# KiCad board Auckland-LED-Train-Map.kicad_pcb (continued)
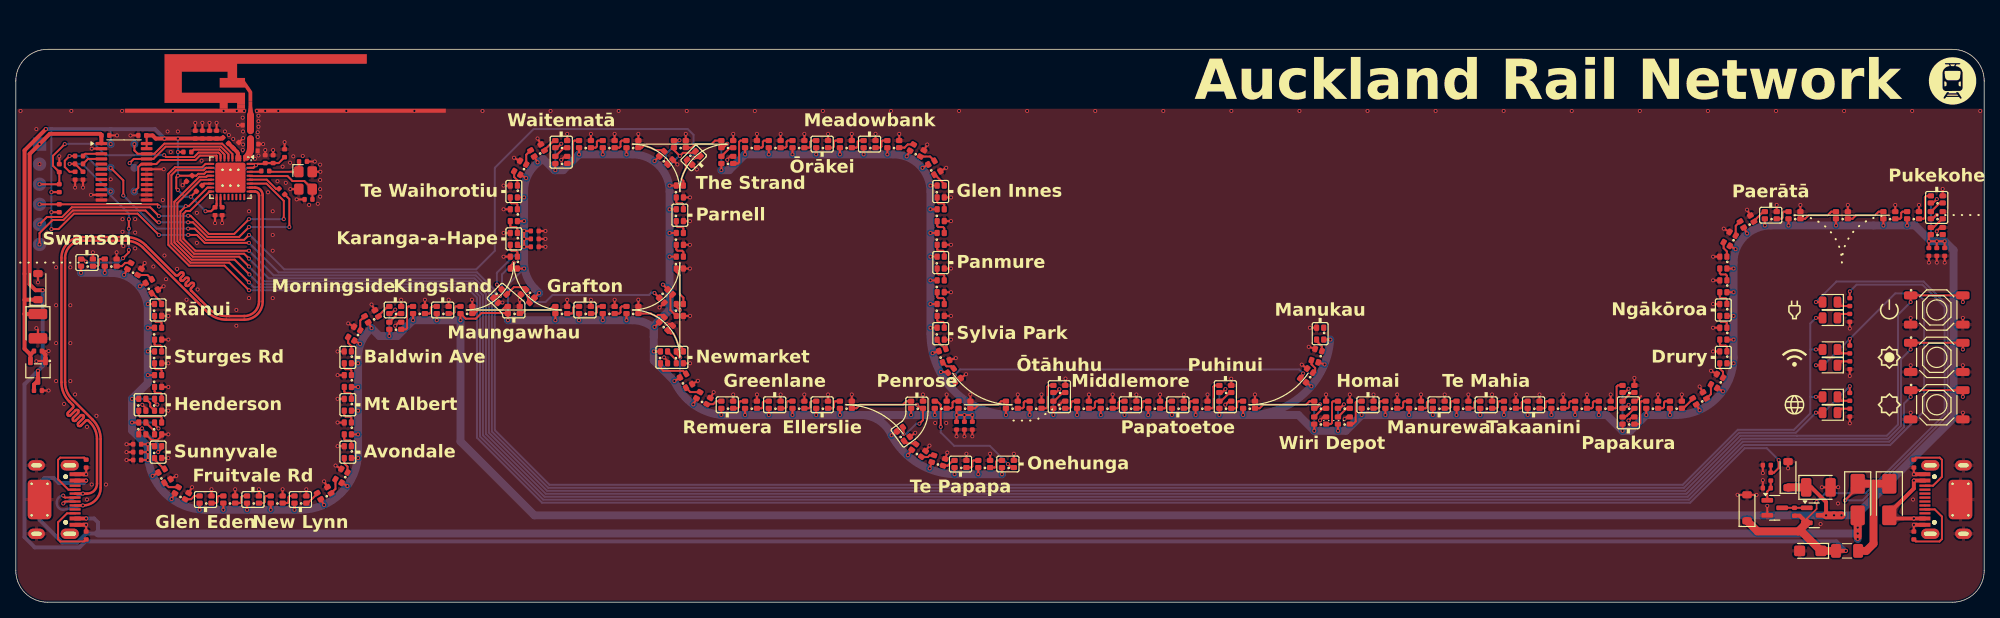
[diagram p0: board, top side]
## Nets (continued)
Net-(D181-DOUT): D181.1 D182.4
Net-(D182-DOUT): D182.1 D183.4
Net-(D183-DOUT): D183.1 D184.4
Net-(D184-DOUT): D184.1 D185.4
Net-(D185-DOUT): D185.1 D186.4
Net-(D186-DOUT): D186.1 D187.4
Net-(D187-DOUT): D187.1 D188.4
Net-(D188-DOUT): D188.1 D189.4
Net-(D189-DOUT): D189.1 D190.4
Net-(D190-DOUT): D190.1 D191.4
Net-(D191-DOUT): D191.1 D192.4
Net-(D193-DOUT): D193.1 D194.4
Net-(D194-DOUT): D194.1 D195.4
Net-(D195-DOUT): D195.1 D196.4
Net-(D196-DOUT): D196.1 D197.4
Net-(D197-DOUT): D197.1 D198.4
Net-(D198-DOUT): D198.1 D199.4
Net-(D199-DOUT): D199.1 D200.4
Net-(D200-DOUT): D200.1 D201.4
Net-(D201-DOUT): D201.1 D202.4
Net-(D202-DOUT): D202.1 D203.4
Net-(D203-DOUT): D203.1 D204.4
Net-(D204-DOUT): D204.1 D205.4
Net-(D205-DOUT): D205.1 D206.4
Net-(D206-DOUT): D206.1 D207.4
Net-(D207-DOUT): D207.1 D208.4
Net-(D300-DOUT): D300.1 D301.4
Net-(D301-DOUT): D301.1 D302.4
Net-(D302-DOUT): D302.1 D303.4
Net-(D303-DOUT): D303.1 D304.4
Net-(D304-DOUT): D304.1 D305.4
Net-(D305-DOUT): D305.1 D306.4
Net-(D306-DOUT): D306.1 D307.4
Net-(D307-DOUT): D307.1 D308.4
Net-(D308-DOUT): D308.1 D309.4
Net-(D309-DOUT): D309.1 D310.4
Net-(D310-DOUT): D310.1 D311.4
Net-(D311-DOUT): D311.1 D312.4
Net-(D312-DOUT): D312.1 D313.4
Net-(D313-DOUT): D313.1 D314.4
Net-(D314-DOUT): D314.1 D315.4
Net-(D315-DOUT): D315.1 D316.4
Net-(D316-DOUT): D316.1 D317.4
Net-(D317-DOUT): D317.1 D318.4
Net-(D318-DOUT): D318.1 D319.4
Net-(D319-DOUT): D319.1 D320.4
Net-(D320-DOUT): D320.1 D321.4
Net-(D321-DOUT): D321.1 D322.4
Net-(D322-DOUT): D322.1 D323.4
Net-(D323-DOUT): D323.1 D324.4
Net-(D324-DOUT): D324.1 D325.4
Net-(D325-DOUT): D325.1 D326.4
Net-(D326-DOUT): D326.1 D327.4
Net-(D327-DOUT): D327.1 D328.4
Net-(D328-DOUT): D328.1 D329.4
Net-(D329-DOUT): D329.1 D330.4
Net-(D330-DOUT): D330.1 D331.4
Net-(D331-DOUT): D331.1 D332.4
Net-(D332-DOUT): D332.1 D333.4
Net-(D333-DOUT): D333.1 D334.4
Net-(D334-DOUT): D334.1 D335.4
Net-(D335-DOUT): D335.1 D336.4
Net-(D336-DOUT): D336.1 D337.4
Net-(D337-DOUT): D337.1 D338.4
Net-(D338-DOUT): D338.1 D339.4
Net-(D339-DOUT): D339.1 D340.4
Net-(D341-DOUT): D341.1 D342.4
Net-(D342-DOUT): D342.1 D343.4
Net-(D343-DOUT): D343.1 D344.4
Net-(Q1-G): Q1.1 Q2.3 R16.2
Net-(Q2-B): C35.1 Q2.1 R18.2
Net-(U2-GPIO2): R3.2 U2.6
Net-(U2-GPIO8): R2.2 U2.14
Net-(U2-U0TXD): R7.2 U2.28
Net-(U2-XTAL_N): C19.2 U2.29 X1.3
Net-(U2-XTAL_P): L5.2 U2.30
Net-(U3-A1): R15.2 U3.3
Net-(U3-A2): R10.2 U3.4
Net-(U4-CC1): R13.1 U4.A5
Net-(U4-CC2): R14.1 U4.B5
Net-(U5-CC1): R20.1 U5.A5
Net-(U5-CC2): R19.1 U5.B5

Pads without a net: D208 1; D344 1; U2 19 20 21 22 23 24; U3 5 6 7 8 9 10; U4 A8 B8; U5 A6 A7 A8 B6 B7 B8

## Via types
v1: diameter 0.5, hole 0.3, Top to Bottom, 593 vias

## Routing (per net, layer and track width the routed paths; a pad name or vN(x,y) marks a point on that pad's centre or on a via; arc(x,y) is an arc through that point)
+3V3: length 383.9
  Top w0.25: 30.6,55.5 31.31,55.5 arc(31.44,55.53) C12.1 C13.1 33.25,55.6 C9.1 ; 30.6,55.5 30.42,55.33 v1(30.38,55.33) 30.05,55 U2.31 ; 30.6,55.5 U2.32 ; 30.6,55.5 30.8,55.5 ; U3.23 16.55,59.15 16.6,59.2 ; R1.1 v1(4.5,49.38) ; v1(18.1,46.5) 15.4,49.2 7.36,49.2 5.4,47.24 v1(4.5,47.24) ; R2.1 v1(22.14,51.34) ; v1(24,49.5) 24.7,49.5 C11.1 ; v1(29.5,45.5) 23.9,45.5 22.9,46.5 v1(21.8,46.5) ; C11.1 25.13,50 ; C11.1 25.2,50.07 25.4,50.27 U2.17 ; D8.2 v1(227.71,36) ; R4.1 v1(4.5,51.92) ; D10.2 v1(227.71,26) ; U2.11 24.1,54.5 23.84,54.24 23.07,54.24 22.83,54 22.31,54 C10.1 22.3,54 v1(20.5,54) 20.3,53.8 20.3,52.4 v1(20.5,52.2) ; D11.2 v1(227.71,32) ; R3.1 v1(20.5,57)
  Top w0.5: v1(3.8,59.9) 1.1,57.2 1.1,38.3 ; C5.1 1.11,36.49 1.1,36.5 ; 1.85,31.35 C3.1 ; 1.85,31.35 1.1,32.1 1.1,36.5 ; 1.85,31.35 U1.2 ; 1.1,36.5 1.1,38.3 ; 1.1,38.3 D1.1 ; C22.1 17.3,59.1 17.7,58.7 v1(18.8,58.7) 25.93,58.7 arc(26.07,58.73) L3.1
  Bottom w0.25: v1(21.8,46.5) v1(18.1,46.5) ; v1(227.71,36) 227,35.29 227,32 ; v1(227.71,32) 227,32 ; 227,32 227,26 ; v1(4.5,47.24) v1(4.5,49.38) v1(4.5,51.92) 4.5,59.9 ; 20.5,55 v1(20.5,57) v1(20.5,58.7) ; 20.5,55 v1(20.5,54) ; 20.5,55 25.1,55 25.35,54.75 25.35,54.4 25.61,54.14 28.4,54.14 29.26,55 30.05,55 v1(30.38,55.33) ; 227,26 227,23.9 224.93,21.83 217.83,21.83 210.86,14.86 67.51,14.86 60.6,21.77 60.6,39.5 58.34,41.76 33.24,41.76 v1(29.5,45.5) ; 227,26 v1(227.71,26) ; v1(24,49.5) 22.16,51.34 v1(22.14,51.34) 21.36,51.34 v1(20.5,52.2) ; 12,59.9 v1(12,58)
  Bottom w0.5: v1(3.8,59.9) 17.6,59.9 v1(18.8,58.7)
+5V: length 937.9
  Top w0.25: D199.2 v1(217.55,44.7) ; v1(204.01,27.02) 203.54,26.55 D187.2 ; v1(119,23.7) 119,24.3 D158.2 119.3,24.5 ; v1(119,23.7) C29.1 ; v1(119,23.7) v1(121,23.7) C31.1 ; v1(16.7,20) 17.3,20 D112.2 ; v1(16.7,20) C38.1 ; v1(16.7,20) v1(16.7,18) C40.1 ; D309.2 v1(64.3,42.25) ; D202.2 v1(224.25,47.7) ; D134.2 v1(62.25,35.7) D134.2 ; D134.2 62.19,36.61 58.91,36.61 58.19,35.9 56.9,35.9 D133.2 v1(56.25,35.7) ; C28.1 v1(244,45.7) v1(242,45.7) ; v1(243.01,49.02) 242.92,49.02 242.45,48.55 D207.2 ; D173.2 v1(164.25,21.7) ; D208.2 242,46.3 v1(242,45.7) ; v1(153.02,26.99) 152.58,26.55 D169.2 ; D196.2 v1(217.3,36.25) ; D174.2 167.5,24.55 v1(168,25.05) ; D124.2 v1(43.3,24.25) ; D185.2 v1(197.25,23.7) ; D145.2 v1(92.25,23.7) ; D321.2 83.25,57.25 v1(84,56.5) 84.4,56.9 85.78,56.9 D300.2 ; D195.2 v1(217.3,33.25) ; C39.1 v1(16.7,19) ; D110.2 17.55,22.5 v1(18.05,22) ; D189.2 v1(203.25,21.7) ; D179.2 v1(179.25,23.7) ; D334.2 v1(115.7,49.75) ; D141.2 v1(80.7,31.75) ; D188.2 203.43,24.73 203.77,24.73 v1(204.02,24.99) ; D333.2 v1(115.7,52.75) ; D322.2 89.5,57.55 v1(90,58.05) ; D102.2 v1(13.7,41.45) ; D168.2 v1(149.25,23.7) ; D314.2 v1(66,55.7) ; D103.2 v1(15.7,40) ; D181.2 v1(185.25,23.7) ; D338.2 v1(115.7,37.75) ; D305.2 83.55,37.45 v1(84,37) ; D340.2 v1(115.97,31.53) ; D129.2 47.5,36.55 v1(48,37.05) ; D206.2 242.52,50.55 v1(243.01,51.03) ; D109.2 v1(14.7,25.75) ; D301.2 v1(82.7,52.75) ; D323.2 v1(89.25,54.7) ; D191.2 v1(209.25,23.7) ; D194.2 v1(217.3,30.25) ; D317.2 v1(71.25,56.7) ; D303.2 v1(82.7,46.75) ; D156.2 v1(124.75,16.2) ; D105.2 v1(16.7,34.75) ; D172.2 164.5,24.55 v1(165,25.05) ; D167.2 v1(146.25,23.7) ; D135.2 v1(68.25,35.7) ; D344.2 v1(166.3,33.25) ; D164.2 v1(137.25,23.7) ; D144.2 v1(89.25,23.7) ; D119.2 v1(35.25,11.7) ; D327.2 v1(101.25,56.7) ; D128.2 v1(45,34.7) ; v1(242,45.7) C26.1 ; D331.2 v1(112.7,56.45) ; D324.2 v1(92.25,56.7) ; D316.2 v1(68.25,54.7) ; D150.2 v1(113.25,23.7) ; D123.2 v1(43.3,21.25) ; D178.2 v1(176.25,23.7) ; D111.2 v1(14.7,22.75) ; D342.2 v1(163.89,27.34) ; D162.2 v1(131.25,23.7) ; D335.2 v1(115.7,46.75) ; D100.2 v1(8.25,41.7) ; D339.2 v1(115.7,34.75) ; C30.1 v1(120,23.7) ; D201.2 v1(221.25,47.7) ; D117.2 v1(29.25,11.7) ; D315.2 68.5,57.55 v1(69,58.05) ; D304.2 v1(82.7,43.75) ; D193.2 v1(215.95,26.7) ; D125.2 v1(43.3,27.25) ; v1(17.91,25.02) 17.55,25.38 D108.2 ; D336.2 v1(115.7,43.75) ; D180.2 v1(182.25,23.7) ; D337.2 v1(115.7,40.75) ; D175.2 v1(167.25,21.7) ; D127.2 v1(43.55,32.7) ; D118.2 v1(32.25,11.7) ; D107.2 v1(16.7,28.75) ; D328.2 v1(104.25,56.7) ; D302.2 v1(82.7,49.75) ; D197.2 v1(217.3,39.25) ; D192.2 v1(213,24.3) ; 224,14.69 D4.1 ; D311.2 v1(64.3,48.25) ; D160.2 v1(128.25,23.7) ; D151.2 v1(110.79,21.13) ; D182.2 v1(188.25,23.7) ; D319.2 v1(77.25,56.7) ; D332.2 v1(114.7,55) ; D190.2 v1(206.25,23.7) ; D136.2 v1(71.25,35.7) ; D101.2 v1(11.25,41.7) ; D137.2 v1(74.25,35.7) ; v1(64.3,45) v1(64.3,47) C43.1 ; v1(64.3,45) 63.7,45 D310.2 ; v1(64.3,45) C41.1 ; D138.2 v1(77.25,35.7) ; D198.2 v1(217.3,42.25) ; D186.2 v1(200.25,23.7) ; D148.2 v1(101.25,23.7) ; D184.2 v1(194.25,23.7) ; D176.2 v1(170.25,23.7) ; D320.2 v1(80.79,55.85) ; D120.2 v1(39,12.3) ; v1(132.01,26.97) 131.59,26.55 D161.2 ; v1(117.03,29.15) 117.82,29.15 D341.2 ; D154.2 v1(118.75,16.2) ; D116.2 v1(26.25,11.7) ; D126.2 v1(43.3,30.25) ; D200.2 v1(219,46.7) ; D308.2 v1(60.85,40.21) ; D170.2 v1(152.25,23.7) ; D149.2 v1(104.25,23.7) ; D159.2 v1(125.25,23.7) ; D104.2 v1(16.7,37.75) ; D115.2 v1(23.25,11.7) ; D157.2 v1(116.25,23.7) ; D139.2 v1(80.79,34.85) ; D114.2 v1(19.7,13.05) ; D313.2 v1(64.55,53.7) ; D205.2 v1(239.25,47.7) ; D163.2 v1(134.25,23.7) ; D147.2 v1(98.25,23.7) ; 86.13,25.79 v1(85.7,25.05) ; D329.2 v1(107.25,56.7) ; D171.2 v1(155.25,23.7) ; D113.2 v1(17.3,16) ; D152.2 v1(112.84,18.61) ; D131.2 v1(50.25,35.7) ; D183.2 v1(191.25,23.7) ; D121.2 v1(41.95,14.7) ; D312.2 v1(64.3,51.25) ; v1(84.05,31) 83.55,31.5 D140.2 ; C27.1 v1(243,45.7) ; D132.2 v1(53.25,35.7) ; D146.2 v1(95.25,23.7) ; C42.1 v1(64.3,46) ; D155.2 v1(121.75,16.2) ; D203.2 v1(230.25,47.7) ; D153.2 v1(115.6,16.94) ; D326.2 v1(98.25,56.7) ; D165.2 v1(140.25,23.7) ; D306.2 v1(81.85,40.21) ; D204.2 v1(236.25,47.7) ; D106.2 v1(16.7,31.75) ; D307.2 v1(66.21,39.15) ; D130.2 v1(47.25,33.7) ; D318.2 v1(74.25,56.7) ; D122.2 v1(43.3,18.25) ; 84.04,28.42 v1(83.3,28) ; D166.2 v1(143.25,23.7) ; D325.2 v1(95.25,56.7) ; D330.2 v1(110.25,56.7) ; D343.2 v1(165.56,30.1) ; D177.2 v1(173.25,23.7)
  Top w0.5: v1(229,11) 229,12.68 227.14,14.54 C15.1
  Top w1: v1(229,11) v1(230,11) v1(230.95,11) ; C15.1 224.23,14.54 D4.1
  Bottom w0.25: v1(18.05,22) 17.3,22.75 v1(14.7,22.75) ; v1(60.85,40.21) 60.85,41.71 63.04,43.9 64.3,43.9 ; v1(84.05,31) 84.05,28.75 v1(83.3,28) ; v1(243.01,51.03) 242.25,50.28 242.25,48.6 ; 242.25,48.6 242.32,48.67 242.66,48.67 v1(243.01,49.02) ; 242.25,48.6 242.25,45.7 ; v1(203.25,21.7) 203.25,26.26 v1(204.01,27.02) ; v1(69,58.05) 68.25,57.3 v1(68.25,54.7) ; v1(165,25.05) 164.25,24.3 v1(164.25,21.7) ; v1(81.85,40.21) 82.49,40.21 82.7,40 ; v1(84,37) 82.7,37 ; 203.25,24.8 203.8,24.8 203.81,24.79 203.82,24.79 v1(204.02,24.99) ; 107,23.7 107.1,23.6 ; v1(153.02,26.99) 152.25,26.22 v1(152.25,23.7) ; v1(89.25,54.7) 89.25,57.3 v1(90,58.05) ; v1(64.3,42.25) 62.25,40.2 v1(62.25,35.7) ; v1(84,56.5) 83.9,56.5 82.72,55.32 81.32,55.32 ; v1(48,37.05) 47.25,36.3 v1(47.25,33.7) ; v1(14.7,25.75) 17.18,25.75 v1(17.91,25.02) ; v1(168,25.05) 167.25,24.3 v1(167.25,21.7) ; v1(131.25,23.7) 131.25,26.21 v1(132.01,26.97)
  Bottom w1: 107,23.7 v1(113.25,23.7) v1(128.25,23.7) v1(155.25,23.7) 162.25,23.7 v1(164.25,21.7) 168.25,21.7 v1(170.25,23.7) 201.25,23.7 v1(203.25,21.7) 204.25,21.7 v1(206.25,23.7) 209.99,23.7 arc(215.16,25.84) 217.3,31 217.3,43 arc(218.68,46.32) 222,47.7 v1(239.25,47.7) 240.25,47.7 242.25,45.7 243.75,45.7 ; 107,23.7 v1(104.25,23.7) v1(101.25,23.7) v1(89.25,23.7) arc(85.7,25.05) v1(83.3,28) 80.7,30.6 v1(80.7,31.75) 80.7,33.6 ; 107,23.7 arc(109.26,22.96) v1(110.79,21.13) arc(114.11,17.6) v1(118.75,16.2) v1(124.75,16.2) ; 80.7,33.6 80.7,34.74 arc(79.43,35.45) 78,35.7 v1(62.25,35.7) ; 80.7,33.6 80.7,35 82.7,37 82.7,52 arc(81.32,55.32) 78,56.7 v1(77.25,56.7) v1(71.25,56.7) 69.25,54.7 v1(68.25,54.7) ; 64.3,43 v1(64.3,51.25) 64.3,52 arc(64.95,54.39) 66.73,56.11 68.14,54.7 v1(68.25,54.7) ; v1(244,45.7) 245.13,44.57 245.13,23.33 232.8,11 v1(230.95,11) v1(229,11) 65.6,11 56.25,20.35 v1(56.25,35.7) v1(50.25,35.7) 48.25,33.7 v1(47.25,33.7) 46,33.7 v1(45,34.7) arc(43.75,33.03) 43.3,31 43.3,19 arc(41.16,13.84) 35.99,11.7 v1(35.25,11.7) 24,11.7 arc(18.84,13.84) 16.7,19.01 16.7,19.75 14.7,21.75 v1(14.7,25.75) 16.7,27.75 16.7,37 arc(15.32,40.32) 12,41.7 v1(11.25,41.7) v1(8.25,41.7) ; v1(68.25,54.7) 68.25,54.75 ; v1(66.21,39.15) 65.68,39.67 arc(64.66,41.2) 64.3,43 ; v1(89.25,54.7) 90.25,54.7 v1(92.25,56.7) v1(110.25,56.7) 111,56.7 arc(114.32,55.32) 115.7,52 115.7,33.99 arc(118.72,26.71) 126,23.7 ; 166.27,33.25 arc(163.01,26.46) 156,23.7
GND: length 199.6
  Top w0.25: D206.3 243.45,51.45 ; D343.3 v1(163.55,32.33) ; D134.3 v1(63.75,38.3) 63.75,38.81 D307.3 ; v1(16,25) 16.45,24.55 D109.3 ; D137.3 v1(75.75,38.3) ; D120.3 v1(39,15.3) ; 243.75,51.48 v1(243.75,52.33) ; 132.78,27.46 v1(132.78,28.31) ; D205.3 v1(240.75,50.3) ; D169.3 v1(153.75,28.3) ; D198.3 v1(214.7,43.75) ; 229.68,14.56 v1(230.53,14.56) ; D181.3 v1(186.75,26.3) ; D176.3 v1(171.75,26.3) ; C30.2 v1(120,21) ; D332.3 v1(117.7,55) ; D172.3 v1(165.75,26.3) ; D199.3 v1(216.05,47.3) ; D322.3 v1(90.75,59.3) ; D127.3 v1(42.05,35.3) ; D202.3 v1(225.75,50.3) ; C42.2 v1(67,46) ; C22.2 v1(14.5,59.1) ; S1.4 v1(246.3,36) ; D128.3 v1(45,37.7) ; D183.3 v1(192.75,26.3) ; D200.3 v1(219,49.7) ; D341.3 v1(120.21,28.87) ; v1(9.6,57.42) U3.2 ; C18.2 v1(26.1,48) ; D132.3 v1(54.75,38.3) ; D184.3 v1(195.75,26.3) ; C2.2 v1(4.15,26.8) ; R19.2 v1(240.1,16.2) ; D154.3 v1(120.25,18.8) ; R14.2 v1(8.9,9.8) ; D144.3 v1(90.75,26.3) ; v1(204,23) 204.45,23.45 D189.3 ; D157.3 v1(117.75,26.3) ; D149.3 v1(105.75,26.3) ; R23.2 v1(232,28.65) ; D195.3 v1(214.7,34.75) ; D160.3 v1(129.75,26.3) ; D101.3 v1(12.75,44.3) ; v1(2.8,40.5) D1.2 ; 35.73,52.3 v1(34.73,52.3) ; 2.8,33.4 2.8,34.5 v1(2.6,34.7) ; D145.3 v1(93.75,26.3) ; C12.2 v1(31.55,57.25) ; D112.3 v1(19.3,18.25) ; D328.3 v1(105.75,59.3) ; D344.3 v1(163.7,34.75) ; D331.3 v1(115.3,57.95) ; v1(243,46.95) 243,47 243.45,47.45 D208.3 ; 28.73,60.4 v1(28.09,60.4) ; D165.3 v1(141.75,26.3) ; v1(69,56) 69.45,56.45 D316.3 ; v1(82.33,35.24) 82.89,35.24 D139.3 ; D330.3 v1(111.75,59.3) ; v1(61.56,37.94) 61.52,37.91 D308.3 ; D338.3 v1(118.3,36.25) ; D300.3 v1(86.15,54.79) ; D133.3 57.75,38.28 57.73,38.3 v1(57.7,38.3) ; Q2.2 v1(221.56,12.2) ; D170.3 153.45,25.45 v1(153,25) ; D146.3 v1(96.75,26.3) ; R17.2 v1(221,16.35) ; D143.3 v1(88.28,26.59) ; C9.2 34,58.35 ; D136.3 v1(72.75,38.3) ; D321.3 v1(84.75,59.3) ; D194.3 v1(214.7,31.75) ; C13.2 v1(32.55,57.25) ; C41.2 v1(67,45) ; D185.3 v1(198.75,26.3) ; D342.3 v1(162.67,30.08) ; C29.2 v1(119,21) ; D306.3 v1(81.43,37.31) ; C19.1 v1(35.53,51) ; D117.3 v1(30.75,14.3) ; D147.3 v1(99.75,26.3) ; C7.2 v1(28.76,58.76) ; R25.2 v1(7.5,52.5) ; R22.2 v1(232,22.65) ; D323.3 90.35,56.45 90,56.1 v1(90,56) ; D305.3 v1(85.3,36.25) ; v1(220.2,13.59) 217.81,13.59 v1(217.8,13.6) ; C35.2 v1(221,15.45) ; D311.3 v1(61.7,49.75) ; C43.2 v1(67,47) ; D312.3 v1(61.7,52.75) ; 229.31,14.55 v1(228.46,14.55) ; D329.3 v1(108.75,59.3) ; D175.3 168.35,23.45 v1(168.1,23.2) ; D158.3 v1(120.75,26.3) ; D191.3 v1(210.75,26.3) ; 205.6,26.1 204.95,25.45 D188.3 ; D339.3 v1(118.3,33.25) ; C27.2 v1(243,43) ; C8.2 v1(24.5,60.7) ; v1(19.3,21.25) D110.3 18.45,21.05 17.92,20.52 17.18,20.52 D111.3 ; D304.3 85.3,42.25 ; D203.3 v1(231.75,50.3) ; D317.3 v1(72.75,59.3) ; D168.3 v1(150.75,26.3) ; C38.2 v1(14,20) ; D155.3 v1(123.25,18.8) ; D196.3 v1(214.7,37.75) ; D324.3 v1(93.75,59.3) ; v1(2.6,30.5) 2.64,30.54 U1.1 ; D333.3 v1(118.3,51.25) ; C39.2 v1(14,19) ; D105.3 v1(19.3,33.25) ; D4.2 v1(224.19,16.95) ; D340.3 v1(118.91,30.91) ; C40.2 v1(14,18) ; D100.3 v1(9.75,44.3) ; R24.2 v1(8.5,52.5) ; v1(164.99,23.02) 165.41,23.45 D173.3 ; D156.3 v1(126.25,18.8) ; D151.3 v1(113.77,21.45) ; D119.3 v1(36.75,14.3) ; C3.2 v1(4.15,31.8) ; 30.65,58 v1(31.29,58) ; C14.2 v1(5.5,56.46) ; D121.3 v1(40.45,17.3) ; S2.4 v1(246.3,30) ; D180.3 v1(183.75,26.3) ; S3.3 v1(239.7,24) ; 11.8,59.1 v1(12.8,59.1) ; D152.3 v1(115.58,19.83) ; R13.2 v1(8.9,16.2) ; D107.3 v1(19.3,27.25) ; v1(21.1,52.8) C10.2 ; D131.3 v1(51.75,38.3) ; D108.3 v1(19.3,24.25) ; S2.3 v1(239.7,30) ; D162.3 132.45,25.45 v1(132,25) ; R20.2 v1(240.1,9.8) ; D327.3 v1(102.75,59.3) ; D135.3 v1(69.75,38.3) ; S1.3 v1(239.7,36) ; C25.2 v1(23.6,60.7) ; C11.2 v1(25.2,48) ; D182.3 v1(189.75,26.3) ; D197.3 v1(214.7,40.75) ; S3.4 v1(246.3,24) ; D138.3 v1(78.75,38.3) ; D301.3 v1(85.3,51.25) ; D103.3 v1(18.7,40) ; D130.3 48.45,35.45 v1(48,35) ; D106.3 v1(19.3,30.25) ; 63.76,55.85 v1(63.02,56.28) ; v1(18.71,54.83) U3.19 ; v1(82,31) 82.45,30.55 D141.3 ; 66.43,57.98 v1(66,58.72) ; D153.3 v1(117.83,18.95) ; C28.2 v1(244,43) ; D174.3 v1(168.75,26.3) ; C26.2 v1(242,43) ; D102.3 v1(16.3,42.95) ; 37.53,54.5 v1(38.53,54.5) ; D325.3 v1(96.75,59.3) ; D201.3 v1(222.75,50.3) ; D318.3 v1(75.75,59.3) ; D334.3 v1(118.3,48.25) ; C20.2 v1(37.83,55.8) ; D114.3 v1(22.3,14.55) ; D125.3 v1(40.7,28.75) ; D123.3 v1(40.7,22.75) ; D193.3 v1(214.45,29.3) ; D115.3 v1(24.75,14.3) ; D302.3 85.3,48.25 ; D167.3 v1(147.75,26.3) ; D337.3 v1(118.3,39.25) ; 204.75,27.55 v1(204.75,28.4) ; D177.3 v1(174.75,26.3) ; D159.3 v1(126.75,26.3) ; D124.3 v1(40.7,25.75) ; C4.2 v1(22.7,60.7) ; D204.3 v1(237.75,50.3) ; D179.3 v1(180.75,26.3) ; D303.3 85.3,45.25 ; D129.3 v1(48.75,38.3) ; D326.3 v1(99.75,59.3) ; D166.3 v1(144.75,26.3) ; D163.3 v1(135.75,26.3) ; D171.3 v1(156.75,26.3) ; D118.3 v1(33.75,14.3) ; D309.3 v1(61.7,43.75) ; D164.3 v1(138.75,26.3) ; D315.3 v1(69.75,59.3) ; D320.3 v1(83.69,55.43) ; D126.3 v1(40.7,31.75) ; D319.3 v1(78.75,59.3) ; D190.3 v1(207.75,26.3) ; v1(9.5,51.58) U3.11 ; D310.3 v1(61.7,46.75) ; R9.2 v1(232,34.65) ; D150.3 v1(114.75,26.3) ; D142.3 v1(86.28,28.04) ; D113.3 v1(20.3,16) ; D178.3 v1(177.75,26.3) ; D104.3 v1(19.3,36.25) ; D192.3 v1(213,27.3) ; D116.3 v1(27.75,14.3) ; D335.3 v1(118.3,45.25) ; D122.3 v1(40.7,19.75) ; C31.2 v1(121,21) ; D148.3 v1(102.75,26.3) ; D140.3 v1(85.3,30.25) ; D336.3 v1(118.3,42.25) ; C6.2 v1(25.4,60.7) ; D186.3 v1(201.75,26.3)
  Top w0.5: v1(240.1,9.8) U5.B12A1 ; v1(240.1,16.2) U5.A12B1 ; v1(8.9,9.8) U4.A12B1 ; C3.2 3.75,31.35 U1.1 ; v1(8.9,16.2) U4.B12A1
  vias: v1(0.6,62.2) v1(2.6,59.9) v1(3,55.46) v1(5.1,42.4) v1(5.1,37.6) v1(5.1,32.8) v1(5.1,28) v1(6.1,25.1) v1(6.9,42.4) v1(6.9,37.6) v1(6.9,32.8) v1(6.9,28) v1(7.02,62.2) v1(7.5,26.3) v1(9,22.2) v1(9,13) v1(9.6,14.9) v1(10.2,23.6) v1(11.4,14.9) v1(12,53.55) v1(13.44,62.2) v1(13.5,48.5) v1(13.5,46.9) v1(13.6,45.1) v1(15.1,48.5) v1(15.1,46.8) v1(15.1,44.8) v1(17.4,42.5) v1(18.6,50.92) v1(18.8,43.9) v1(19,40.9) v1(19.2,59.6) v1(19.6,57) v1(19.86,62.2) v1(20.4,42.2) v1(20.5,59.6) v1(21.6,38.3) v1(22.9,49.3) v1(22.9,45.5) v1(23,39.6) v1(23.5,55.9) v1(24.8,51.4) v1(26.29,62.2) v1(26.45,59.6) v1(26.95,59.15) v1(27.5,58.65) v1(27.9,37) v1(27.9,35) v1(27.95,62.2) v1(28.7,61.35) v1(28.71,57.26) v1(28.75,59.6) v1(28.75,57.95) v1(28.89,62.2) v1(29.5,49.5) v1(29.5,38.5) v1(29.7,51.3) v1(30.25,56.15) v1(30.49,62.2) v1(30.6,59.5) v1(30.6,58.9) v1(30.7,61.6) v1(30.7,60.9) v1(30.7,60.2) v1(30.7,56.55) v1(31.55,62.2) v1(31.9,51.9) v1(32.5,49.5) v1(32.5,46.5) v1(32.5,44.5) v1(32.5,38.5) v1(33.1,53.3) v1(33.2,62.2) v1(33.75,55.15) v1(34,58.25) v1(34.15,53.1) v1(34.7,55.65) v1(35.1,56.45) v1(36.3,56.5) v1(37.1,50.3) v1(38.2,50.45) v1(38.5,55.4) v1(38.5,53.45) v1(38.5,52.3) v1(38.5,51.35) v1(41.81,62.2) v1(50.42,62.2) v1(59.04,62.2) v1(67.65,62.2) v1(76.26,62.2) v1(84.87,62.2) v1(85.27,48.25) v1(85.27,45.25) v1(85.27,42.25) v1(93.48,62.2) v1(102.1,62.2) v1(110.71,62.2) v1(116.3,22.7) v1(117.7,22.7) v1(119.32,62.2) v1(127.93,62.2) v1(136.54,62.2) v1(145.16,62.2) v1(153.77,62.2) v1(162.38,62.2) v1(170.99,62.2) v1(179.6,62.2) v1(188.22,62.2) v1(196.83,62.2) v1(205.44,62.2) v1(214.05,62.2) v1(222.66,62.2) v1(228.3,9.9) v1(230.5,12.5) v1(231.28,62.2) v1(239.89,62.2) v1(240,13) v1(248.5,62.2)
VBUS: length 365.9
  Top w0.2: Q1.2 226.56,10.57 227.8,11.81 v1(227.8,12.7)
  Top w0.25: R12.2 v1(232,39.35)
  Top w0.5: U3.1 10.83,59.17 10.7,59.3 4.3,59.3 v1(3,58) 1.75,56.75 1.75,40.25 2.5,39.5 v1(3.4,39.5) ; v1(231.5,6.5) F1.2 ; R16.1 225.66,10.95 Q1.2 ; C2.1 2.3,27.56 U1.3 v1(2.8,29.3)
  Top w1: D5.1 220.33,8.97 225.48,8.97 ; 225.48,8.97 225.88,8.97 C1.1 F1.2 ; 225.48,8.97 Q1.2
  Bottom w0.25: v1(227.8,12.7) 228.9,13.8 234,13.8 244,23.8 244,37.4 241.2,40.2 232.85,40.2 v1(232,39.35)
  Bottom w0.5: v1(231.5,6.5) 230.3,7.7 8.79,7.7 8.04,6.94 2.39,6.94 1.1,8.23 1.1,27.6 v1(2.8,29.3) 3.4,29.9 v1(3.4,39.5)
VDD_SPI: length 1.4
  Top w0.25: C18.1 25.9,50.2 U2.18
/+BRIGHTNESS_BUTTON: length 274
  Top w0.25: v1(239.7,32) S2.1 S2.2 v1(246.3,32) ; v1(29.5,42.5) 28.25,43.75 22.39,43.75 20.44,45.7 20.44,50.54 23.39,53.49 24.69,53.49 U2.13
  Bottom w0.25: v1(29.5,42.5) 31.37,40.63 57.87,40.63 59.47,39.03 59.47,21.3 67.04,13.73 211.33,13.73 218.3,20.7 236.83,20.7 238.48,22.34 238.48,30.78 v1(239.7,32)
/-BRIGHTNESS_BUTTON: length 269.8
  Top w0.25: v1(29.55,41.5) 27.68,43.37 22.23,43.37 20.06,45.54 20.06,50.69 23.23,53.86 24.11,53.86 24.25,54 U2.12 ; v1(246.3,26) S3.2 S3.1 v1(239.7,26)
  Bottom w0.25: v1(29.55,41.5) 30.8,40.25 57.71,40.25 59.09,38.88 59.09,21.15 66.88,13.35 211.49,13.35 218.46,20.32 236.99,20.32 238.85,22.19 238.85,25.15 v1(239.7,26)
/Antenna: length 2.5
  Top w0.889: 29.69,58.68 29.69,57.53 arc(29.56,56.89) 29.2,56.35
/BOOT_IO9_BUTTON: length 296.2
  Top w0.25: v1(18.1,50.1) 18.1,50.2 17.92,50.38 R1.2 v1(3,50.38) ; v1(29.5,43.5) 28.88,44.12 22.55,44.12 20.82,45.85 20.82,49.47 v1(21.5,50.15) 21.9,50.15 24.25,52.5 U2.15 ; v1(239.7,38) S1.1 S1.2 v1(246.3,38)
  Bottom w0.25: v1(29.5,43.5) 31.99,41.01 58.03,41.01 59.84,39.19 59.84,21.46 67.2,14.11 211.18,14.11 218.15,21.08 225.32,21.08 225.32,21.08 236.68,21.08 238.1,22.5 238.1,36.4 v1(239.7,38) ; v1(21.5,50.15) 21.45,50.1 v1(18.1,50.1)
/CONFIG_LED: length 297.8
  Top w0.25: D12.2 v1(227.71,30) ; v1(29.5,40.5) 27.01,42.99 22.08,42.99 19.68,45.39 19.68,54.08 20.3,54.7 23.77,54.7 24.07,55 U2.10 ; R21.1 v1(232,33.35)
  Bottom w0.25: v1(227.71,30) 228.65,30 v1(232,33.35) 237.75,39.1 240.5,39.1 241.4,38.2 241.4,24.2 237.1,19.9 218.57,19.9 211.65,12.98 66.72,12.98 58.71,20.99 58.71,38.72 57.56,39.88 30.12,39.88 v1(29.5,40.5)
/D+: length 89.1
  Top w0.25: U4.A6 6.25,13.25 arc(6.07,13.32) v1(6,13.5)
  Top w0.3: U4.B6 v1(8.48,12.25)
  Top w0.313: U2.26 30.26,52.5 arc(30.95,52.22) 31.23,51.53 31.23,38.09 arc(30.55,36.45) 28.91,35.77 26.64,35.77 arc(25.31,36.03) 24.19,36.78 16.08,44.89 arc(15.11,45.54) 13.96,45.77 8.44,45.77 arc(6.88,45.12) 6.23,43.56 6.23,27.84 arc(6.46,26.69) 7.11,25.72 9.72,23.11 arc(10.47,21.99) 10.73,20.66 10.73,14.5 arc(10.07,12.91) v1(8.48,12.25)
  Bottom w0.313: v1(8.48,12.25) 6,11.7 arc(5.43,11.93) 5.2,12.5 5.2,12.7 arc(5.43,13.27) v1(6,13.5)
/D-: length 95.3
  Top w0.25: U4.A7 6.25,12.75 arc(6.07,12.68) v1(6,12.5)
  Top w0.3: U4.B7 v1(8.48,13.75)
  Top w0.313: U2.25 30.24,52 arc(30.61,51.85) 30.77,51.48 30.77,38.1 arc(30.22,36.78) 28.9,36.23 26.64,36.23 arc(25.49,36.46) 24.52,37.11 22.18,39.45 arc(22.11,39.61) 22.18,39.77 22.47,40.06 arc(22.54,40.23) 22.47,40.39 arc(22.31,40.46) 22.14,40.39 21.85,40.1 arc(21.69,40.03) 21.53,40.1 arc(21.46,40.26) 21.53,40.43 21.82,40.72 arc(21.88,40.88) 21.82,41.05 arc(21.65,41.11) 21.49,41.05 21.2,40.76 arc(21.04,40.69) 20.87,40.76 arc(20.8,40.92) 20.87,41.08 21.16,41.37 arc(21.23,41.54) 21.16,41.7 arc(21,41.77) 20.83,41.7 20.54,41.41 arc(20.38,41.34) 20.22,41.41 16.41,45.22 arc(15.29,45.97) 13.96,46.23 8.4,46.23 arc(6.54,45.46) 5.77,43.6 5.77,27.84 arc(6.03,26.51) 6.78,25.39 7.22,24.95 arc(7.29,24.79) 7.22,24.62 6.6,23.99 arc(6.53,23.83) 6.6,23.67 arc(6.76,23.6) 6.92,23.67 7.55,24.29 arc(7.71,24.36) 7.88,24.29 arc(7.95,24.13) 7.88,23.97 7.25,23.34 arc(7.18,23.18) 7.25,23.01 arc(7.41,22.94) 7.58,23.01 8.21,23.64 arc(8.37,23.71) 8.53,23.64 arc(8.6,23.48) 8.53,23.31 7.91,22.68 arc(7.84,22.52) 7.91,22.36 arc(8.07,22.29) 8.23,22.36 8.86,22.98 arc(9.02,23.05) 9.19,22.98 9.39,22.78 arc(10.04,21.81) 10.27,20.66 10.27,15 arc(9.9,14.12) 9.02,13.75 v1(8.48,13.75)